# Allegro board REF_WLC_TX15W_C1-MP A11 15W POWER TRANSMITTER REV04.brd
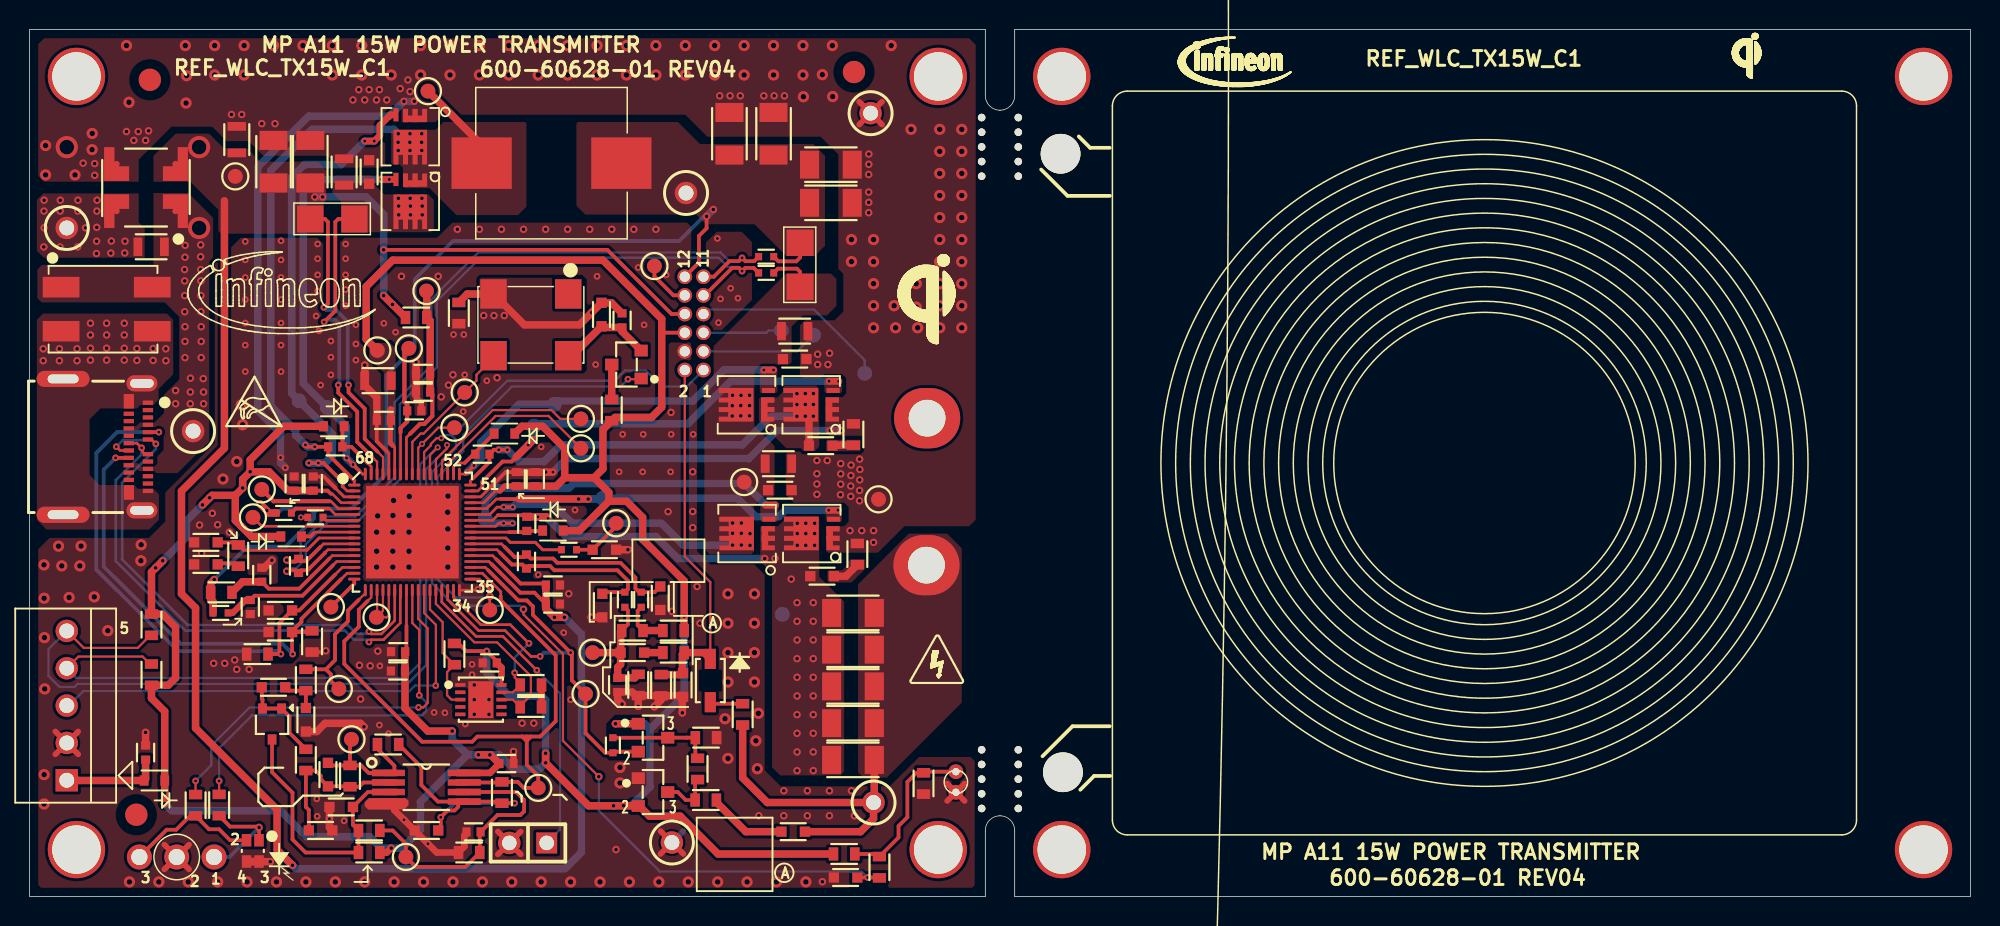
[diagram p0: board, top side]
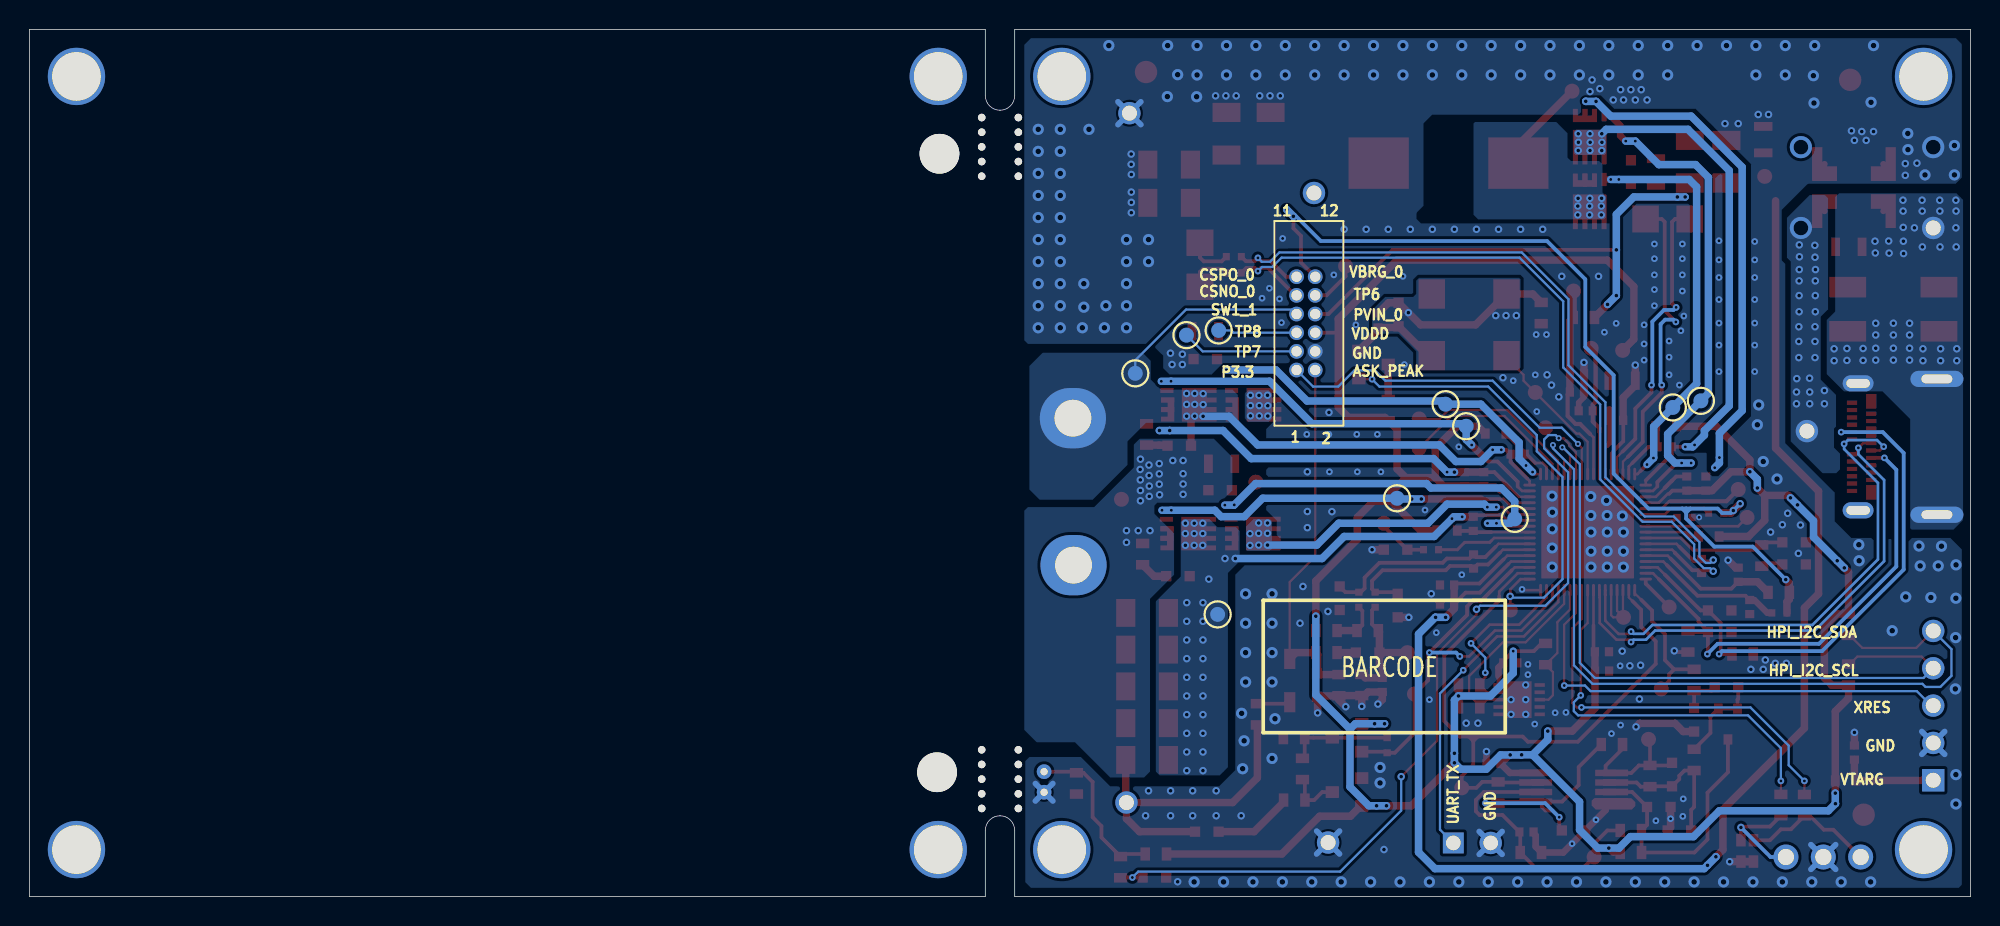
[diagram p1: board, bottom side, seen from below]

Outline 132 x 59 mm; copper layers: TOP, BOTTOM. Coordinates in mm from the lower left corner of the outline.
Outline path: 0,59 65,59 65,54.5 arc(65.29,53.79) 66,53.5 66,53.5 arc(66.71,53.79) 67,54.5 67,59 132,59 132,0 67,0 67,4.5 arc(66.71,5.21) 66,5.5 66,5.5 arc(65.29,5.21) 65,4.5 65,0 0,0 0,59

## Design rules (mm)
constraint set DEFAULT: min track width 0.152
net group CSCSO_0: nets CSNO_0 CSPO_0
net group CSCSO_1: nets N17267481 N17267522
net group CSIIN_CS_1: nets N17266899 N17266990
net group CSIOUT_CS_0: nets IOUT_CSN_0 IOUT_CSP_0
net group SENSE1: nets PVIN_0

## Placement (name value [footprint] x y rotation side)
ASK_OUT  SMD  [SMDTP]  21.04 14.13 0 top
ASK_TST  SMD  [SMDTP]  39.9 25.4 0 top
C1  1nF  [CAPC1608X90N_TY]  55.5 1.3 0 top
C2  0.1uF  [CAPC1005X56N_CYPS]  30.2 4.4 180 top
C3  330pF  [CAPC1608X90N_TY]  19.8 4.5 0 top
C4  10nF  [CAPC1608X90N_TY]  27 4.5 180 top
C5  22nF  [CAPC1608X90N_TY]  21.2 6.1 0 top
C6  1nF  [CAPC1608X90N_TY]  51.94 4.42 0 top
C7  150pF  [CAPC1608X90N_TY]  20.3 8.3 90 top
C8  0.1uF  [CAPC3216X190N_A]  56 9.3 180 top
C9  0.1uF  [CAPC1005X56N_CYPS]  32.44 9.05 180 top
C10  0.1uF  [CAPC1005X56N_CYPS]  7.9 9.8 90 top
C12  0.1uF  [CAPC3216X190N_A]  56 11.8 180 top
C13  22nF  [CAPC1608X90N_TY]  18.8 12.03 90 top
C14  0.1uF  [CAPC3216X190N_A]  56 14.3 180 top
C15  0.1uF  [CAPC1005X56N_CYPS]  40 14.4 90 top
C16  5.6nF  [CAPC1608X90N_TY]  44.45 14.4 90 top
C17  0.22uF  [CAPC1608X90N_TY]  16.6 14.24 0 top
C18  1uF  [CAPC1005X56N_CYPS]  31.3 15.9 180 top
C19  1uF  [CAPC1005X56N_CYPS]  25.06 15.35 180 top
C20  0.1uF  [CAPC1005X56N_CYPS]  25.07 16.66 0 top
C21  33nF  [CAPC1608X90N_TY]  41 16.6 180 top
C22  0.1uF  [CAPC3216X190N_A]  56 16.8 180 top
C23  330pF  [CAPC1608X90N_TY]  17.06 18 180 top
C24  0.1uF  [CAPC3216X190N_A]  56 19.3 180 top
C25  330pF  [CAPC1608X90N_TY]  17.06 19.47 180 top
C26  0.1uF  [CAPC1005X56N_CYPS]  15.02 19.7 270 top
C27  10nF  [CAPC1608X90N_TY]  38.96 19.8 270 top
C28  0.1uF  [CAPC1005X56N_CYPS]  35.6 19.9 0 top
C29  10nF  [CAPC1608X90N_TY]  42.9 20.3 270 top
C30  0.1uF  [CAPC1005X56N_CYPS]  35.6 21.2 0 top
C31  10nF  [CAPC1608X90N_TY]  53.9 21.8 180 top
C32  0.1uF  [CAPC1005X56N_CYPS]  15.8 21.9 90 top
C33  2.2uF  [CAPC1005X56N_CYPS]  18.3 22.5 270 top
C34  0.47uF  [CAPC1608X90N_TY]  12 22.6 180 top
C35  470nF  [CAPC1005X56N_CYPS]  33.8 22.8 270 top
C36  10pF  [CAPC1608X90N_TY]  39.1 23.6 0 top
C37  1nF  [CAPC1608X90N_TY]  12 24.1 180 top
C39  0.1uF  [CAPC1005X56N_CYPS]  33.82 25.36 270 top
C40  0.1uF  [CAPC1608X90N_TY]  51.03 27.65 180 top
C41  1uF  [CAPC1005X56N_CYPS]  34.4 28.4 90 top
C42  0.1uF  [CAPC1005X56N_CYPS]  33.1 28.4 90 top
C43  0.1uF  [CAPC1005X56N_CYPS]  19.3 28.1 90 top
C44  1uF  [CAPC1005X56N_CYPS]  18 28.1 90 top
C45  0.1uF  [CAPC1608X90N_TY]  52.04 36.57 180 top
C46  0.1uF  [CAPC1005X56N_CYPS]  30.8 30.1 0 top
C47  0.1uF  [CAPC1005X56N_CYPS]  20.8 30.6 0 top
C48  0.1uF  [CAPC1005X56N_CYPS]  24.1 32.4 0 top
C49  0.1uF  [CAPC1005X56N_CYPS]  26.17 33.05 180 top
C50  10nF  [CAPC1608X90N_TY]  53.81 30.68 180 top
C51  22uF  [CAPC2012X70N_MURATA]  50.93 29.45 180 top
C52  0.1uF  [CAPC1005X56N_CYPS]  26.77 34.32 0 top
C53  10uF  [CAPC2012X70N_MURATA]  23.7 35.1 180 top
C54  1uF  [CAPC1005X56N_CYPS]  26.77 35.6 180 top
C55  22uF  [CAPC2012X70N_MURATA]  52.04 38.47 180 top
C56  0.1uF  [CAPC1005X56N_CYPS]  40.3 39.2 270 top
C57  1nF  [CAPC1608X90N_TY]  38.9 39.6 270 top
C58  4.7uF  [CAPC2012X70N_MURATA]  8.28 44.21 180 top
C59  22uF  [CAPC3216X190N_A]  54.5 47.2 180 top
C60  4.7uF  [CAPC2012X70N_MURATA]  21.4 49.3 90 top
C61  10nF  [CAPC1608X90N_TY]  23.1 49.3 270 top
C62  22uF  [CAPC3216X190N_A]  54.5 49.8 180 top
C63  22uF  [CAPC3216X190N_A]  16.6 50 270 top
C64  22uF  [CAPC3216X190N_A]  19.1 50 90 top
C65  4.7uF  [CAPC2012X70N_MURATA]  14.1 51.5 270 top
C66  22uF  [CAPC3216X190N_A]  47.6 51.9 270 top
C67  22uF  [CAPC3216X190N_A]  50.6 51.9 270 top
CLK_IN  SMD  [SMDTP]  29.6 34.3 0 top
CMP_REF  SMD  [SMDTP]  25.6 2.7 0 top
COIL_SNS  RED  [TP-43R_S]  57.4 6.4 0 top
D1  -  [BAT64T5Q-7-F]  8.5 7.9 0 top
D2  MMBD1503-TP  [SOT23_1_2_3]  42.4 7.11 270 top
D3  BAT54-04W  [BAT5404W]  16.5 11.74 180 top
D4  BAS16H,115  [SOD123F_NXP]  46.3 14.7 270 top
D6  RB511SM-40FHT2R  [SOD-523N]  17.8 24.5 0 top
D7  RB511SM-40FHT2R  [SOD-523N]  35.6 24.9 180 top
D8  RB511SM-40FHT2R  [SOD-523N]  32.3 31.5 180 top
D9  RB511SM-40FHT2R  [SOD-523N]  20.7 32 0 top
GND  BLACK  [TP-43R_S]  43.69 3.68 0 top
GND1  BLACK  [TP-43R_S]  57.2 53.3 0 top
GND_1  SMD  [SMDTP]  57.74 27.03 0 top
HG1_0  SMD  [SMDTP]  20.25 33.28 180 bottom
HG1_1  SMD  [SMDTP]  35.7 33.5 180 bottom
HG2_0  SMD  [SMDTP]  15.2 25.8 0 top
HG2_1  SMD  [SMDTP]  31 25.7 180 bottom
J1  PRPC002SAAN-RC  [HDR2X1]  35.17 3.65 180 top
J2  22-23-2051  [HDR5_KEYED_M]  2.54 12.99 90 top
J3  2012670005  [MOLEX_2012670005]  8.06 33.6 270 top
J4  -  [20021511-00012T4LF]  45.2 39 90 bottom
J6  2059-302/998-403  [WAGO_2059-302998-403]  5.25 39.96 0 top
L1  100 ohms  [DLW5BTM101TQ2L]  7.93 48.24 90 top
L2  6.8uH  [PA4342-682NLT]  35.5 49.9 270 top
L3  MP-A11 COIL  [WURTH_760308103146_CYPS_OFFSET]  70.29 6.74 180 bottom
LED1  -  [LTST-C195TBJRKT]  15.19 3.11 0 top
LED2  -  [LTL1BEKVJNN]  10.02 2.69 0 top
LG1_0  SMD  [SMDTP]  18.34 33.73 90 bottom
LG1_1  SMD  [SMDTP]  34.3 32 180 bottom
LG2_0  SMD  [SMDTP]  15.8 27.7 0 top
LG2_1  SMD  [SMDTP]  39 27.1 180 bottom
M11  BSZ0910LS  [INFINEON-PG-TSDSON-8-32]  25.9 47.3 270 top
M12  BSZ0910LS  [INFINEON-PG-TSDSON-8-32]  25.9 51.7 270 top
M13  BSZ0910LS  [INFINEON-PG-TSDSON-8-32]  48.8 24.7 180 top
M14  BSZ0910LS  [INFINEON-PG-TSDSON-8-32]  53.2 24.7 180 top
M15  BSZ0910LS  [INFINEON-PG-TSDSON-8-32]  48.76 33.46 180 top
M16  BSZ0910LS  [INFINEON-PG-TSDSON-8-32]  53.16 33.46 180 top
MTG1  MTG_125  [MTG330_390]  3.2 3.2 0 top
MTG2  MTG_125  [MTG330_390]  61.8 3.2 0 top
MTG3  MTG_125  [MTG330_390]  70.2 3.2 0 top
MTG4  MTG_125  [MTG330_390]  128.8 3.2 0 top
MTG5  MTG_125  [MTG330_390]  3.2 55.8 0 top
MTG6  MTG_125  [MTG330_390]  61.8 55.8 0 top
MTG7  MTG_125  [MTG330_390]  70.2 55.8 0 top
MTG8  MTG_125  [MTG330_390]  128.8 55.8 0 top
NOREF  -  [unnamed]  56.07 56.1 0 top
NOREF#2  -  [unnamed#2]  67.25 6 0 top
NOREF#3  -  [#3]  132 29 90 top
NOREF#4  -  [unnamed]  8.19 55.57 0 top
NOREF#5  -  [#3]  117.31 30 0 top
NOREF#6  -  [#3]  61.5 22.6 0 top
NOREF#7  -  [#3]  70.2 3.2 90 top
NOREF#8  -  [#3]  128.71 1.19 0 top
NOREF#9  -  [#3]  67 59 0 top
NOREF#10  -  [#3]  0 0 90 top
NOREF#11  -  [#3]  128.8 3.2 90 top
NOREF#12  -  [#3]  70.2 55.8 0 top
NOREF#13  -  [#3]  67 59 0 top
NOREF#14  -  [unnamed#3]  70.28 8.46 0 top
NOREF#15  -  [unnamed#2]  67.25 49.01 0 top
NOREF#16  -  [unnamed#4]  26.99 7.44 0 top
NOREF#17  -  [#3]  0 59 0 top
NOREF#18  -  [#3]  99 0 0 top
NOREF#19  -  [#3]  0 59 0 top
NOREF#20  -  [#3]  67 0 90 top
NOREF#21  -  [unnamed#3]  70.12 50.54 180 top
NOREF#22  -  [#3]  70.2 55.8 0 top
NOREF#23  -  [#3]  132 0 90 top
NOREF#24  -  [#3]  3.2 55.8 0 top
NOREF#25  -  [#3]  3.2 3.2 90 top
NOREF#26  -  [unnamed]  7.27 5.57 0 top
NOREF#27  -  [#3]  61.2 34 0 top
NOREF#28  -  [#3]  57.1 12.9 0 top
NT1  100k, NTC  [RESC1608X55N_PEC]  60.8 7.7 90 top
NT2  100k, NTC  [NXFT15WF104FEAB021]  63 7.8 90 top
OPAMP_CMP  SMD  [SMDTP]  34.6 7.4 0 top
OPAMP_GAIN  SMD  [SMDTP]  21.9 10.7 0 top
P3.3  SMD  [SMDTP]  28.9 31.9 0 top
PVIN_0  SMD  [SMDTP]  14 49 0 top
PWM_OUT  SMD  [SMDTP]  23.6 19 0 top
Q1  BSS138N  [SOT23_1_2_3]  40.6 36.2 90 top
Q2  BSS138N  [SOT23_1_2_3]  42.4 10.81 270 top
Q_COMP  SMD  [SMDTP]  37.82 13.79 0 top
R1  100K  [RESC1608X55N_PEC]  57.8 2 90 top
R2  80.6K  [RESC1608X55N_PEC]  55.4 2.9 180 top
R3  27K  [RESC1608X55N_PEC]  23.1 3 0 top
R4  10K  [RESC1608X55N_PEC]  29.9 3 0 top
R5  390E  [RESC1608X55N_PEC]  23.1 4.5 180 top
R6  1K  [RESC1608X55N_PEC]  11.3 6.22 270 top
R7  1K  [RESC1608X55N_PEC]  12.9 6.23 90 top
R10  1M  [RESC1608X55N_PEC]  32.13 7.08 270 top
R11  100K  [RESC1608X55N_PEC]  21.8 8.2 270 top
R12  36K  [RESC1608X55N_PEC]  45.99 6.57 180 top
R14  5.1K  [RESC1608X55N_PEC]  18.8 9.3 90 top
R15  0E  [RESC1608X55N_PEC]  24.39 10.35 180 top
R17  20K  [RESC1608X55N_PEC]  46.01 10.81 180 top
R18  5.1K  [RESC1608X55N_PEC]  48.5 12.4 90 top
R19  5.1K  [RESC1608X55N_PEC]  34.1 12.9 180 top
R20  100K  [RESC1608X55N_PEC]  42.95 14.38 90 top
R21  10K  [RESC1608X55N_PEC]  34.1 14.4 0 top
R22  130K  [RESC1608X55N_PEC]  41.4 14.4 90 top
R23  5.1K  [RESC1608X55N_PEC]  8.3 15.1 90 top
R24  1K  [RESC1608X55N_PEC]  18.8 14.74 270 top
R25  5.1K  [RESC1608X55N_PEC]  15.5 16.5 0 top
R26  5.1K  [RESC1608X55N_PEC]  28.9 16.5 270 top
R27  0E  [RESC1608X55N_PEC]  43.8 16.6 0 top
R28  5.1K  [RESC1608X55N_PEC]  19.22 17.36 90 top
R29  200E  [RESC1608X55N_PEC]  41 18.1 0 top
R30  12K  [RESC1608X55N_PEC]  43.8 18.1 0 top
R31  5.1K  [RESC1608X55N_PEC]  8.3 18.5 270 top
R32  0E  [RESC1005X40N_PEC]  13 19.3 0 top
R33  10E  [RESC1005X40N_PEC]  40.49 20.2 270 top
R34  10E  [RESC1005X40N_PEC]  41.6 20.2 270 top
R35  0E  [RESC1608X55N_PEC]  13.05 20.7 0 top
R36  0E  [RESC1608X55N_PEC]  56.3 23.3 270 top
R37  1K  [RESC1608X55N_PEC]  14.2 23.2 270 top
R38  0E  [RESC1005X40N_PEC]  36.69 23.6 0 top
R39  0E  [RESC1005X40N_PEC]  19.45 25.8 180 top
R40  0E  [RESC1005X40N_PEC]  17.3 26.1 180 top
R41  0E  [RESC1608X55N_PEC]  56.03 31.44 270 top
R42  0E  [RESC1608X55N_PEC]  39.6 33.1 270 top
R44  0E  [RESC1608X55N_PEC]  26.3 39.4 180 top
R45  0E  [RESC1608X55N_PEC]  29.2 39.7 270 top
R46  10E  [RESC1005X40N_PEC]  50.1 42.43 0 top
R47  0.01  [R1206_OHMITE]  52.4 42.99 270 top
R48  10E  [RESC1005X40N_PEC]  50.1 43.54 0 top
R49  0.005  [R1206_OHMITE]  20.6 46.1 180 top
R52  0E  [RESC1005X40N_PEC]  39.68 10.3 270 top
R53  3.6K  [RESC1608X55N_PEC]  45.43 8.69 90 top
SW1_0  SMD  [SMDTP]  27.1 54.8 0 top
SW1_1  SMD  [SMDTP]  56.8 35.6 180 bottom
SW2_1  SMD  [SMDTP]  51.2 19.2 180 bottom
TP1  SMD  [SMDTP]  31.3 19.5 0 top
TP2  SMD  [SMDTP]  20.5 19.7 0 top
TP3  SMD  [SMDTP]  37.5 30.5 0 top
TP4  SMD  [SMDTP]  37.5 32.5 0 top
TP6  SMD  [SMDTP]  42.5 42.9 0 top
TP7  SMD  [SMDTP]  53.32 38.2 90 bottom
TP8  SMD  [SMDTP]  51.13 38.52 180 bottom
U1  LMV358AQDGKRQ1  [DGK8]  26.99 7.44 0 top
U2  SLS32AIA020U2USON10XTMA2  [PG-USON-10-2]  30.7 13.4 270 top
U3  WLC1115-68LQXQ  [QFN40P800X800X60-69N_CUS]  26.04 24.8 0 top
USB-GND  BLACK  [TP-43R_S]  2.54 45.49 270 top
USB-IN  RED  [TP-43R_S]  11.13 31.67 270 top
V2I_IP  SMD  [SMDTP]  38.3 16.6 0 top
VBB_1  SMD  [SMDTP]  48.6 28.2 0 top
VBRG_0  RED  [TP-43R_S]  44.65 47.87 0 top
VCCD  SMD  [SMDTP]  25.8 37.3 0 top
VDDD  SMD  [SMDTP]  23.66 37.16 0 top
VIN  SMD  [SMDTP]  27 41.2 0 top
Y1  SG7050CCN 48.000000M-HJGBB  [SG7050CCN48000000M-HJGBB]  34.1 38.9 180 top

## Library data of the parts
ASK_OUT ASK_TST CLK_IN CMP_REF COIL_SNS GND GND1 GND_1 HG1_0 HG1_1 HG2_0 HG2_1 LG1_0 LG1_1 LG2_0 LG2_1 OPAMP_CMP OPAMP_GAIN P3.3 PVIN_0 PWM_OUT Q_COMP SW1_0 SW1_1 SW2_1 TP1-TP4 TP6-TP8 USB-GND USB-IN V2I_IP VBB_1 VBRG_0 VCCD VDDD VIN = TEST_POINT
C1-C9 C12-C17 C20-C37 C39 C40 C42 C43 C45-C53 C55-C67 = CAP
C10 C18 C19 C41 C44 C54 = 0_0.01uF-50V-10%-X7R-0603
D1 = DIODE_3
D2 D3 = BAT54S/SOT
D4 = DIODE_0: User Part Number: PN; Tolerance: TOL
D6-D9 = DIODE SCHOTTKY
J1 = CON2
J2 = 1X5_100MIL_HDR_3
J3 = USB-PD_TYPE-C_0
J4 = CON12A
J6 = 2059-302/998-403_0
L1 = IND_1
L2 L3 = IND
LED1 = LTST-C195TBJRKT_1
LED2 = LTST-C195TBJRKT_0
M11-M16 = 5P_N-CH_TYPE1C
MTG1-MTG8 = MTG_125
NT1 NT2 = RESISTOR VAR 2
Q1 Q2 = 2N6802_0
R1-R7 R10 R11 R14 R15 R18-R31 R33 R34 R36 R37 R39-R42 R45-R49 R52 = RES
R12 R17 R32 R35 R38 R44 R53 = R
U1 = OPAMP DUAL SUPPLY: User Part Number: PN; Tolerance: TOL
U2 = OPTIGA TRUST E2_0
U3 = CYWP1115
Y1 = KC7050C48_0.0000C50D00

## Footprints (pads in the part's own frame, mm; a bottom-side part is the same pattern mirrored in y, then rotated)
20021511-00012T4LF
  round 1 hole 0.7: 1(-3.175,0.635) 2(-3.175,-0.635) 3(-1.905,0.635) 4(-1.905,-0.635) 5(-0.635,0.635) 6(-0.635,-0.635) 7(0.635,0.635) 8(0.635,-0.635) 9(1.905,0.635) 10(1.905,-0.635) 11(3.175,0.635) 12(3.175,-0.635)
BAT64T5Q-7-F
  rect 0.6x0.7 smd: 1(0.7,0) 2(-0.7,0)
BAT5404W
  rect 0.6x0.7 smd: 1(-0.65,-1.05) 2(0.65,-1.05) 3(0,1.05)
CAPC1005X56N_CYPS
  rect 0.56x0.62 smd: 1(-0.48,0) 2(0.48,0)
CAPC1608X90N_TY
  rect 0.701x0.701 smd: 1(-0.8,0) 2(0.8,0)
CAPC2012X70N_MURATA
  rect 0.599x1.25 smd: 1(-0.9,0) 2(0.9,0)
CAPC3216X190N_A
  rect 1.3x1.9 smd: 1(-1.45,0) 2(1.45,0)
DGK8
  rect 1.422x0.432 smd: 1(-2.172,0.975) 2(-2.172,0.325) 3(-2.172,-0.325) 4(-2.172,-0.975) 5(2.172,-0.975) 6(2.172,-0.325) 7(2.172,0.325) 8(2.172,0.975)
DLW5BTM101TQ2L
  custom 2.3x1.7 smd: 1(-1.6,-2) 2(1.6,-2) 3(1.6,2) 4(-1.6,2)
HDR2X1
  rect 1.422x1.422 hole 0.991: 1(0,0)
  round 1.524 hole 0.991: 2(2.54,0)
HDR5_KEYED_M
  rect 1.524x1.524 hole 1.016: 1(-5.08,0)
  round 1.524 hole 1.016: 2(-2.54,0) 3(0,0) 4(2.54,0) 5(5.08,0)
INFINEON-PG-TSDSON-8-32
  custom 0.9x1.64 smd: 1(-1.44,0.325)
  rect 0.9x0.34 smd: 2(-1.44,0.325) 3(-1.44,-0.325) 4(-1.49,-0.975)
  custom 2.36x2.29 smd: 5(0.71,0)
LTL1BEKVJNN
  round 1.702 hole 1.1: 1(2.54,0) 2(0,0) 3(-2.54,0)
LTST-C195TBJRKT
  rect 0.65x0.85 smd: 1(0.425,0.725) 2(-0.425,0.725) 3(0.425,-0.725) 4(-0.425,-0.725)
MOLEX_2012670005
  rect 0.29x0.7 smd: A1(0,0) A2(0.5,0) A3(1,0) A4(1.5,0) A5(2,0) A6(2.5,0) A7(3.5,0) A8(4,0) A9(4.5,0) A10(5,0) A11(5.5,0) A12(6,0) B2(5.25,-1.3) B3(4.75,-1.3) B4(4.25,-1.3) B5(3.75,-1.3) B6(3.25,-1.3) B7(2.75,-1.3) B8(2.25,-1.3) B9(1.75,-1.3) B10(1.25,-1.3) B11(0.75,-1.3)
  rect 0.99x0.7 smd: B1(6.1,-1.3) B12(-0.1,-1.3)
  oval 1.1x2.1 hole 0.6x1.6: SH1(-1.32,-0.41) SH2(7.32,-0.41)
  oval 1.1x3.6 hole 0.6x2.1: SH3(-1.62,-5.77) SH4(7.62,-5.77)
MTG330_390
  round 3.9 hole 3.3: 1(0,0)
NXFT15WF104FEAB021
  round 1 hole 0.5: 1(-0.7,0) 2(0.7,0)
PA4342-682NLT
  rect 3.5x4.1 smd: 1(0,-4.75) 2(0,4.75)
PG-USON-10-2
  rect 0.25x0.7 smd: 1(-1,-1.4) 2(-0.5,-1.4) 3(0,-1.4) 4(0.5,-1.4) 5(1,-1.4) 6(1,1.4) 7(0.5,1.4) 8(0,1.4) 9(-0.5,1.4) 10(-1,1.4)
  rect 2.5x1.7 smd: 11(0,0)
QFN40P800X800X60-69N_CUS
  oval 0.85x0.2 smd: 1(-3.95,3.2) 2(-3.95,2.8) 3(-3.95,2.4) 4(-3.95,2) 5(-3.95,1.6) 6(-3.95,1.2) 7(-3.95,0.8) 8(-3.95,0.4) 9(-3.95,0) 10(-3.95,-0.4) 11(-3.95,-0.8) 12(-3.95,-1.2) 13(-3.95,-1.6) 14(-3.95,-2) 15(-3.95,-2.4) 16(-3.95,-2.8) 17(-3.95,-3.2) 35(3.95,-3.2) 36(3.95,-2.8) 37(3.95,-2.4) 38(3.95,-2) 39(3.95,-1.6) 40(3.95,-1.2) 41(3.95,-0.8) 42(3.95,-0.4) 43(3.95,0) 44(3.95,0.4) 45(3.95,0.8) 46(3.95,1.2) 47(3.95,1.6) 48(3.95,2) 49(3.95,2.4) 50(3.95,2.8) 51(3.95,3.2)
  oval 0.2x0.85 smd: 18(-3.2,-3.95) 19(-2.8,-3.95) 20(-2.4,-3.95) 21(-2,-3.95) 22(-1.6,-3.95) 23(-1.2,-3.95) 24(-0.8,-3.95) 25(-0.4,-3.95) 26(0,-3.95) 27(0.4,-3.95) 28(0.8,-3.95) 29(1.2,-3.95) 30(1.6,-3.95) 31(2,-3.95) 32(2.4,-3.95) 33(2.8,-3.95) 34(3.2,-3.95) 52(3.2,3.95) 53(2.8,3.95) 54(2.4,3.95) 55(2,3.95) 56(1.6,3.95) 57(1.2,3.95) 58(0.8,3.95) 59(0.4,3.95) 60(0,3.95) 61(-0.4,3.95) 62(-0.8,3.95) 63(-1.2,3.95) 64(-1.6,3.95) 65(-2,3.95) 66(-2.4,3.95) 67(-2.8,3.95) 68(-3.2,3.95)
  rect 6.3x6.3 smd: 69(0,0)
R1206_OHMITE
  rect 1.8x1.84 smd: 1(-1.5,0) 2(1.5,0)
RESC1005X40N_PEC
  rect 0.475x0.5 smd: 1(-0.513,0) 2(0.513,0)
RESC1608X55N_PEC
  rect 0.65x0.899 smd: 1(-0.724,0) 2(0.724,0)
SG7050CCN48000000M-HJGBB
  rect 1.8x2 smd: 1(-2.54,-2.1) 2(2.54,-2.1) 3(2.54,2.1) 4(-2.54,2.1)
SMDTP
  round 1.016 smd: 1(0,0)
SOD123F_NXP
  rect 1.372x0.762 smd: 1(-1.473,0) 2(1.473,0)
SOD-523N
  rect 0.6x0.7 smd: 1(-0.7,0) 2(0.7,0)
SOT23_1_2_3
  rect 0.8x0.9 smd: 1(-0.95,-1) 2(0.95,-1) 3(0,1)
TP-43R_S
  round 1.524 hole 1.016: 1(0,0)
unnamed
  round 1.524 smd: (0,0)
unnamed#3
  round 2.7 hole 2.7 unplated: (0,0)
unnamed#2
  round 0.508 hole 0.508 unplated: (-2.494,3.993) (-2.494,2.995) (-2.494,1.996) (-2.494,0.998) (-2.494,0) (0,3.993) (0,2.995) (0,1.996) (0,0.998) (0,0)
unnamed#4
  rect 1.702x0.457 smd: 1(-2.85,0.975) 2(-2.85,0.325) 3(-2.85,-0.325) 4(-2.85,-0.975) 5(2.85,-0.975) 6(2.85,-0.325) 7(2.85,0.325) 8(2.85,0.975)
WAGO_2059-302998-403
  rect 2.5x1.4 smd: 1(-3.1,1.5) 2(3.1,1.5) 3(-3.1,-1.5) 4(3.1,-1.5)
WURTH_760308103146_CYPS_OFFSET
  oval 4.5x4.1 hole 2.5: 1(9.29,15.815) 2(9.247,25.815)

## Nets
GND: C1.1 C2.2 C3.2 C4.2 C5.1 C9.1 C10.2 C13.1 C15.1 C16.1 C18.2 C19.2 C20.1 C23.2 C25.2 C26.2 C27.2 C28.2 C29.2 C30.2 C32.2 C34.2 C36.2 C37.2 C40.1 C41.2 C42.2 C43.2 C44.2 C45.1 C48.1 C49.1 C51.1 C52.1 C53.2 C54.2 C55.1 C59.1 C60.2 C61.1 C62.1 C63.1 C64.2 C65.1 C66.1 C67.1 D2.1 GND.1 GND1.1 GND_1.1 J1.2 J2.2 J4.4 L1.3 LED1.3 LED1.4 LED2.2 M12.1 M12.2 M12.3(S_3) M14.1 M14.2 M14.3(S_3) M16.1 M16.2 M16.3(S_3) NT1.1 NT2.1 R4.1 R17.1 R20.1 R22.1 R25.1 R28.1 R36.1 R39.2 R41.1 R45.2 U1.4 U2.1 U2.11 U3.3 U3.34 U3.49 U3.64 U3.69
PVIN_0: C28.1 C30.1 C63.2 C64.1 C65.2 J4.8 L1.2 PVIN_0.1 R44.2 R49.2 U3.38 U3.39 U3.65
VDDD: C9.2 C18.1 C19.1 C20.2 C41.1 C42.1 C43.1 C44.1 C48.2 C53.1 D1.1(CATHODE) D2.2 D6.1 D7.1 D8.1 D9.1 J4.6 Q2.1 R2.2 R3.2 R19.1 R21.2 R23.1 R26.1 R30.2 R31.1 R42.2 U1.8 U2.10(VCC) U3.4 U3.25 U3.48 U3.63 VDDD.1
ASK_DEMOD: OPAMP_CMP.1 R10.1 U1.7(OUT) U3.19 U3.36
ASK_I_N: C15.2 C21.2 R22.2 R29.1 R33.2 V2I_IP.1
ASK_I_P: R29.2 R30.1 R34.2
ASK_OUT: ASK_OUT.1 R24.1 U3.18
ASK_PEAK: C16.2 D4.1(CATHODE) J4.2 R20.2 R27.2
ASK_TST: ASK_TST.1 C36.1 R38.2
BST1_0: C47.2 D9.2(CATHODE) U3.67
BST1_1: C46.1 D8.2(CATHODE) U3.53
BST2_0: D6.2(CATHODE) U3.9
BST2_1: C39.2 D7.2(CATHODE) U3.43
CC1_0: C25.1 J3.A5 R25.2 U3.15
CC2_0: C23.1 J3.B5 R28.2 U3.16
CLK_IN: CLK_IN.1 U3.60 Y1.3
COIL_SNS: C6.2 C8.1 C12.1 C14.1 C22.1 C24.1 COIL_SNS.1 L3.1 R18.1
COMP_0: C37.1 R37.1 U3.10
CSNO_0: C33.2 J4.9 R46.1 U3.12
CSPO_0: C33.1 J4.11 R48.1 U3.11
CTRL_1: Q1.1 TP1.1 U3.35
D+_0: J3.A6 J3.B6 U3.23
D-_0: J3.A7 J3.B7 U3.24
HG1_0: HG1_0.1 M11.4 U3.68
HG1_1: HG1_1.1 M15.4 U3.52
HG2_0: HG2_0.1 U3.8
HG2_1: HG2_1.1 M13.4 U3.44
HPI_I2C_SCL: J2.4 R23.2 U3.57
HPI_I2C_SDA: J2.5 R31.2 U3.56
IIN_CSN_0: C60.1 C61.2 M11.5 R49.1 U3.66
IOUT_CSN_0: C40.2 C45.2 C51.2 C55.2 M13.5 M15.5 R46.2 R47.2 U3.46 VBB_1.1
IOUT_CSP_0: C59.2 C62.2 C66.2 C67.2 J4.12 L2.2 R32.1 R35.1 R40.2 R47.1 R48.2 VBRG_0.1
LED1: R7.2 U3.26
LED2: R6.1 U3.27
LG1_0: LG1_0.1 M12.4 U3.2
LG1_1: LG1_1.1 M16.4 U3.50
LG2_0: LG2_0.1 U3.5
LG2_1: LG2_1.1 M14.4 U3.47
OPTIGA_I2C_INT: R21.1 U2.9 U3.33
OPTIGA_I2C_SCL: R19.2 U2.8 U3.30
OPTIGA_I2C_SDA: R26.2 U2.3 U3.29
P3.3: J4.1 P3.3.1 U3.59
PWR_XTAL: C56.2 C57.2 Q1.2(S) Y1.4(VCC)
Q_COMP: Q2.2(S) Q_COMP.1 R52.2 U3.32 U3.37
SW1_0: C47.1 L2.1 M11.1 M11.2 M11.3(S_3) M12.5 SW1_0.1 U3.1
SW1_1: C46.2 C50.2 J4.7 L3.2 M15.1 M15.2 M15.3(S_3) M16.5 SW1_1.1 U3.51
SW2_1: C8.2 C12.2 C14.2 C22.2 C24.2 C31.2 C39.1 M13.1 M13.2 M13.3(S_3) M14.5 SW2_1.1 U3.45
TEMP_FB1: C1.2 R1.1 U3.58
UART_TX: J1.1 U3.31
USB-GND: C58.2 J3.A1 J3.A12 J3.B1 J3.B12 J3.SH1 J3.SH2 J3.SH3 J3.SH4 J6.3 J6.4 L1.4 USB-GND.1
USB-IN: C58.1 J3.A4 J3.A9 J3.B4 J3.B9(VBUS_4) J6.1 J6.2 L1.1 USB-IN.1
VTARG: C10.1 D1.2 J2.1
XGND: C56.1 C57.1 R45.1 Y1.2
XRES: J2.3 U3.28(XRES)
N17266296: C13.2 C17.2 R24.2
N17266302: C17.1 D3.1 D3.2 R14.2
N17266408: C52.2 C54.1 R44.1 U3.61 VIN.1
N17266412: C4.1 R10.2 R15.1 U1.5
N17266446: C7.2 OPAMP_GAIN.1 R11.1 R15.2 U1.1
N17266499: C3.1 C7.1 R11.2 R14.1 U1.2
N17266517: C5.2 D3.3 R3.1 R5.2 U1.3
N17266525: C49.2 U3.62 VCCD.1
N17266710: NT1.2 NT2.2 R1.2 R2.1
N17266728: C2.1 CMP_REF.1 R4.2 R5.1 U1.6
N17266899: TP3.1 U3.54
N17266990: TP4.1 U3.55
N17267333: R40.1 U3.6
N17267373: R39.1 U3.7
N17267382: R38.1 U3.42
N17267481: C29.1 C35.1 R34.1 U3.41
N17267522: C27.1 C35.2 R33.1 U3.40
N17267544: C32.1 R35.2 U3.13
N17267694: TP2.1 U3.17
N17267821: D4.2 R18.2
N17267826: C6.1 R12.1
N17267838: C26.1 R32.2 U3.14
N17268032: Q2.3 R17.2 R52.1 R53.2
N17268063: PWM_OUT.1 U3.20 U3.21 U3.22
N17268447: LED1.2 LED2.3 R6.2
N17268530: LED1.1 LED2.1(RED) R7.1
N17271522: Q1.3 R42.1
N17272069: J4.3 TP7.1
N17272080: J4.5 TP8.1
N17272097: J4.10 TP6.1
N17336659: C50.1 R41.2
N17350742: C34.1 R37.2
N17474976: C31.1 R36.2
N17493111: D2.3 R12.2 R53.1
N172677570: C21.1 R27.1

Pads without a net: J3 A2 A3 A8 A10 A11 B2 B3 B8 B10 B11; MTG1 1; MTG2 1; MTG3 1; MTG4 1; MTG5 1; MTG6 1; MTG7 1; MTG8 1; NOREF#16 1 2 3 4 5 6 7 8; U2 2 4 5 6 7; Y1 1

## Via types
v1: diameter 0.508, hole 0.254, TOP to BOTTOM, 328 vias
v2: diameter 1.508, hole 1, TOP to BOTTOM, 3 vias
v3: diameter 0.457, hole 0.203, TOP to BOTTOM, 131 vias
v4: diameter 0.406, hole 0.203, TOP to BOTTOM, 13 vias
v5: diameter 0.762, hole 0.381, TOP to BOTTOM, 165 vias
